# Altium PCB PCB_REV1.PcbDoc (part 1 of 2) (continued)
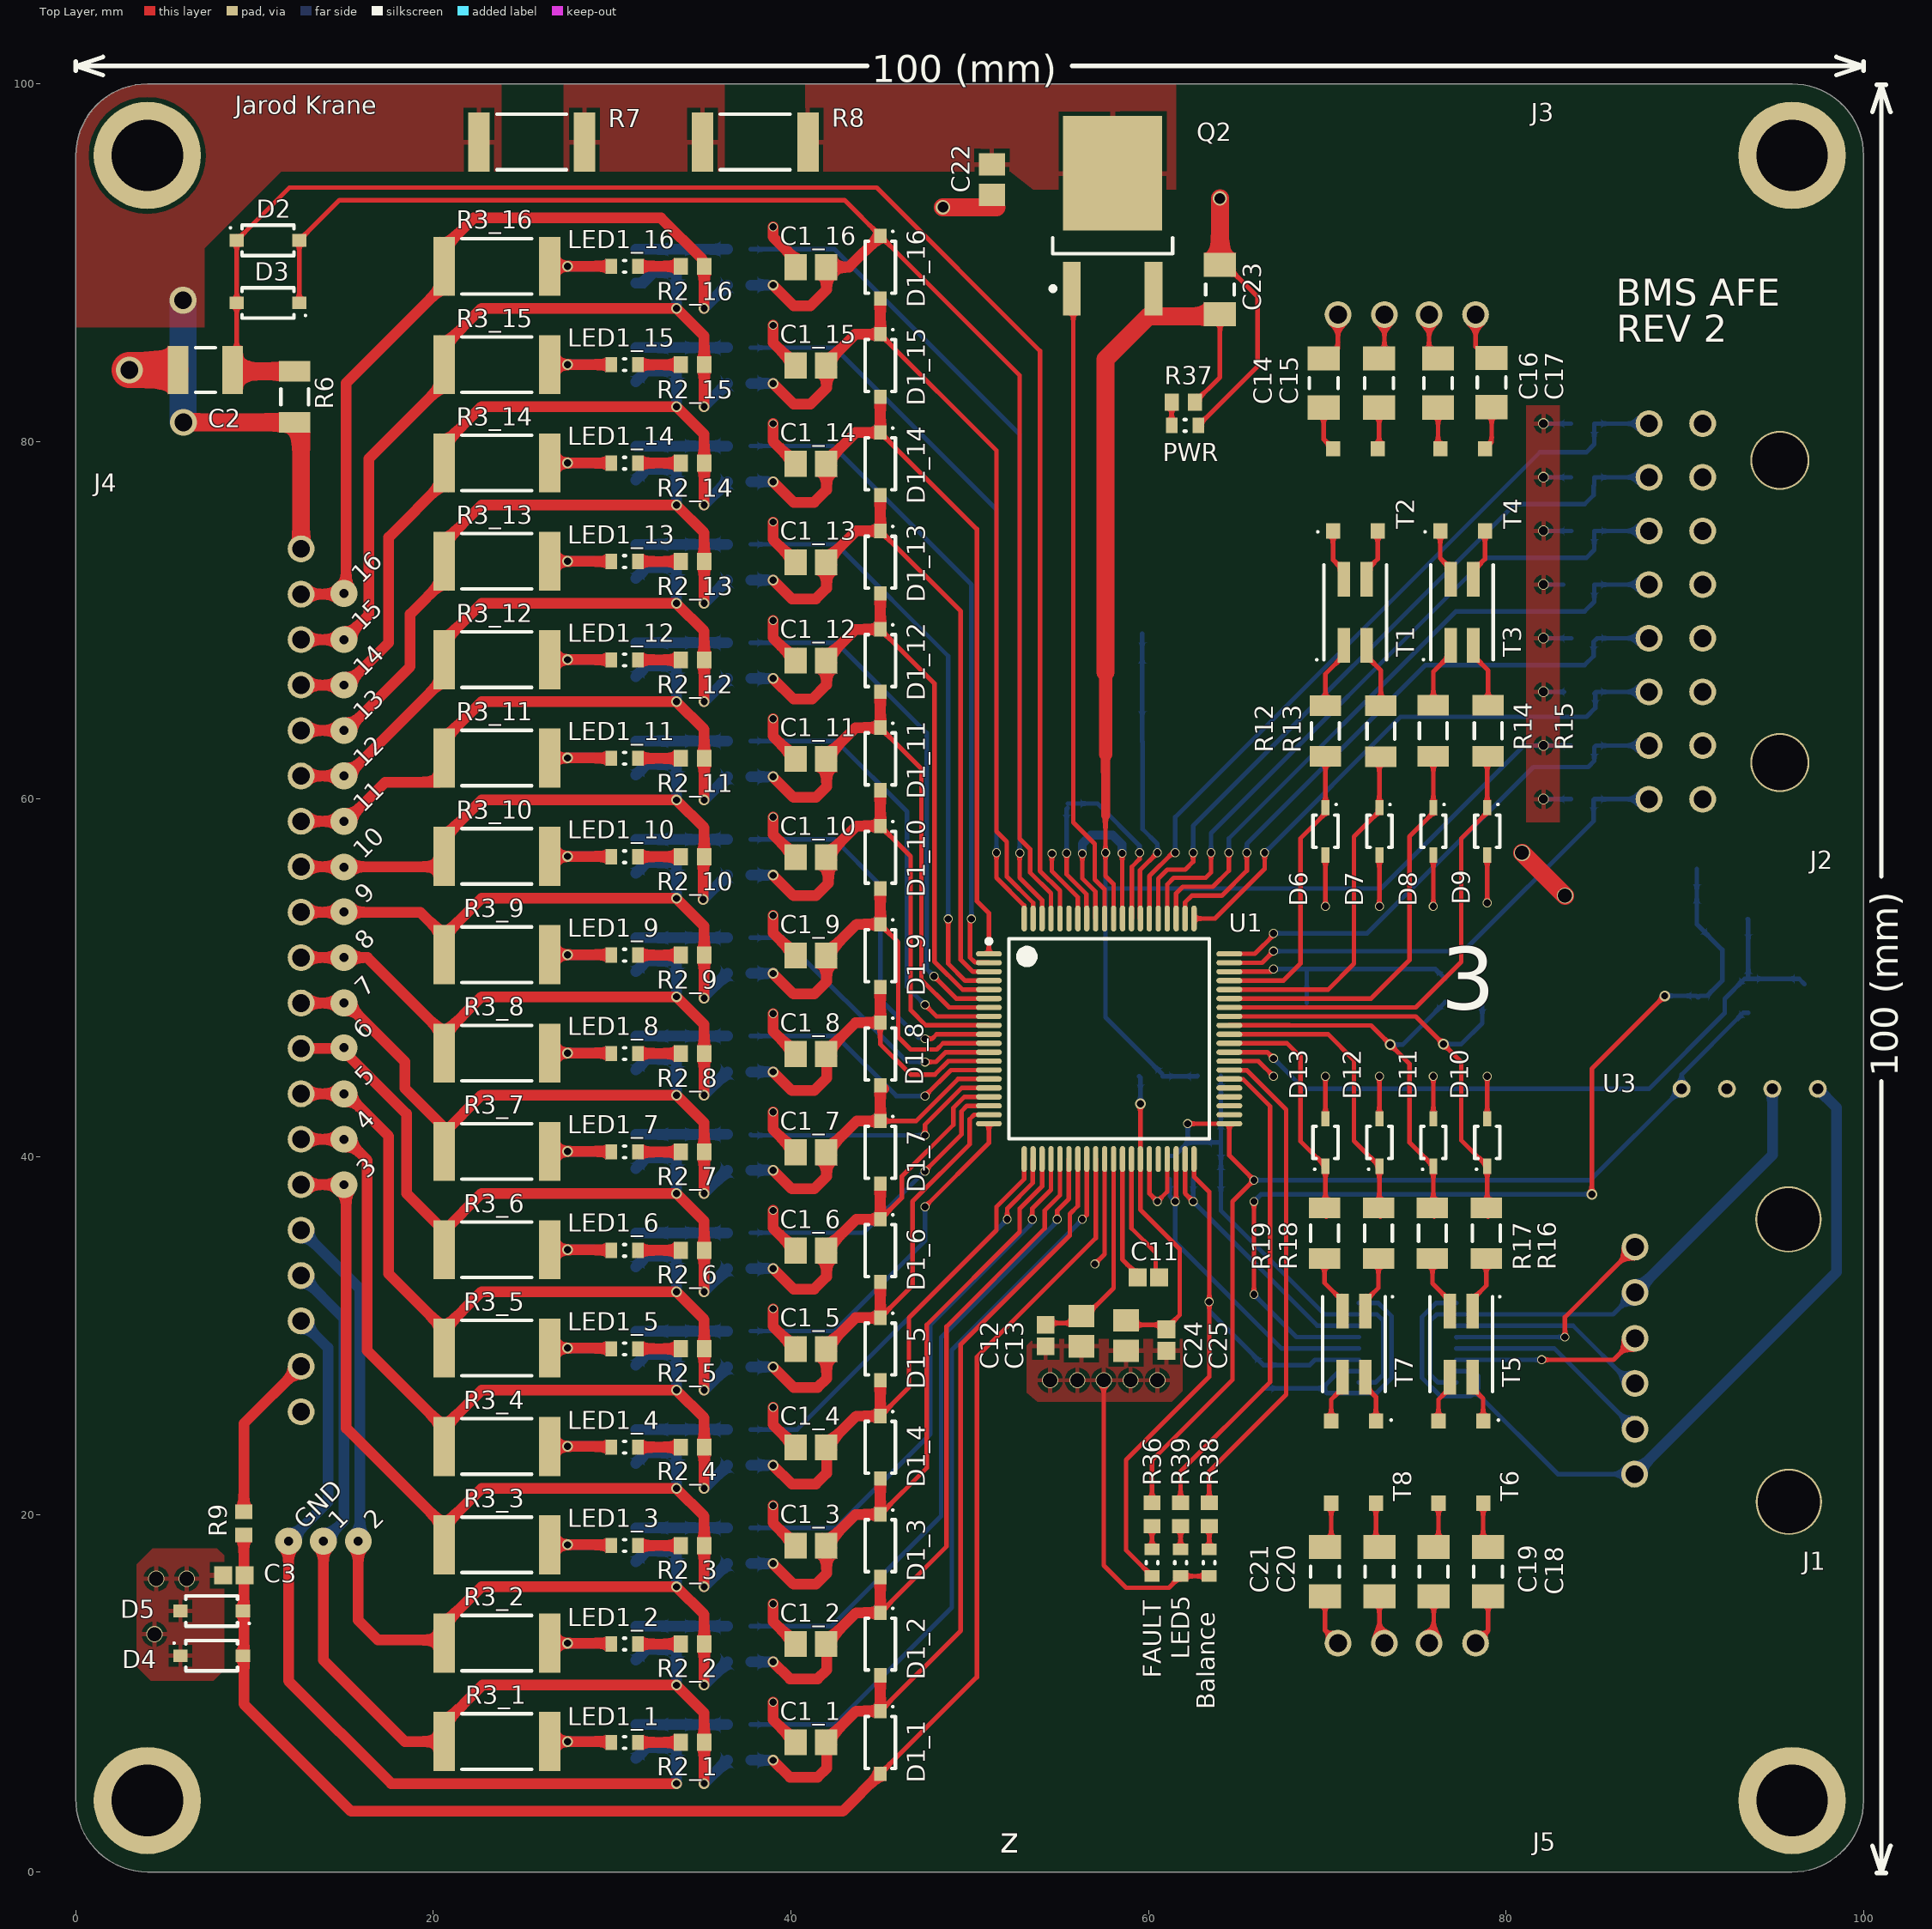
[diagram p0: Top Layer view]
## Part data (continued)
D6 D7 D8 D9 D10 D11 D12 D13: library part PESD5V0U1UA,115, "TVS DIODE 5V SOD323", Breakdown Voltage=5.8V, Capacitance=2.6pF, Leakage Current=100nA, Manufacturer="NXP Semiconductors", Max Breakdown Voltage=8.8V, Max Operating Temperature=150°C, Min Operating Temperature=-55°C, Package Quantity=1, Power Line Protection=No, Supplier Part Number 1=1727-4155-1-ND, Composition=Zener, Depth=1.35mm, Direction=Unidirectional, Element Configuration=Single, Lead Free="Lead Free", Length=1.8mm, Manufacturer Part Number=PESD5V0U1UA,115, Min Breakdown Voltage=5.8V, Mount="Surface Mount", Number of Channels=1, Number of Pins=2, Number of Unidirectional Channels=1, Operating Supply Voltage=5V, Packaging="Tape and Reel", Polarity=Unidirectional, Pricing 1="1=0.49, 10=0.373, 100=0.2377, 500=0.1669, 1000=0.1315 (USD)", Radiation Hardening=No, Reverse Standoff Voltage=5V, Stock 1=225761, Supplier 1=Digi-Key, Termination=SMD/SMT, Working Voltage=5V
J1: "CONN HEADER 6POS .100 R/A TIN", Color=Black, Contact Resistance=30mR, Current Rating=3A, Flammability Rating="UL94 V-0", Insulation Resistance=1GR, Manufacturer=Molex, Max Operating Temperature=105°C, Min Operating Temperature=-40°C, Package Quantity=1, Supplier Part Number 1=WM4168-ND, Voltage Rating=250V, ComponentLink1Description=https://www.molex.com/pdm_docs/ps/PS-70400.pdf, ComponentLink1URL=https://www.molex.com/pdm_docs/ps/PS-70400.pdf, ComponentLink2Description=http://www.mouser.com/ds/2/276/0705550005_PCB_HEADERS-172795.pdf, ComponentLink2URL=http://www.mouser.com/ds/2/276/0705550005_PCB_HEADERS-172795.pdf, Connector Type="Male Pin", Contact Gender=Male, Contact Material=Brass,Bronze, Contact Mating Length=0.24inch, Contact Plating=Tin, Depth=13.59mm, ELV=Compliant, Gender=Female, Glow Wire Compliant=Non-compliant, Housing Color=Black, Housing Material=Polyester, Length=18.69mm, Manufacturer Part Number=70555-0005, Material=Brass, Mount="Through Hole", Number of Circuits=6, Number of Contacts=6, Number of Positions=6, Number of Rows=1, Orientation="Right Angle", Packaging=Rail/Tube, Pitch=2.54mm, Pricing 1="1=1.19, 10=1.046, 100=0.902, 500=0.738, 1000=0.656, 5000=0.574, 10000=0.5453 (USD)", Stock 1=1593, Supplier 1=Digi-Key, Termination=Solder, Voltage Rating (DC)=250V
J2: "CONN RECEPT 16POS 3MM DUAL ROW", Colour=Black, Contact Resistance=10mR, Current Rating=5A, Flammability Rating="UL94 V-0", Manufacturer=Molex, Max Operating Temperature=105°C, Max Voltage Rating (AC)=600V, Max Voltage Rating (DC)=600.6kV, Min Operating Temperature=-40°C, Package Quantity=1500, Supplier Part Number 1=WM2490-ND, Voltage Rating (AC)=250V, Approvals=CSA,TUV,UL, ComponentLink1Description=https://www.alliedelec.com/m/d/7b41ca9c4fb783ac9c05f4e8e707f04e.pdf, ComponentLink1URL=https://www.alliedelec.com/m/d/7b41ca9c4fb783ac9c05f4e8e707f04e.pdf, ComponentLink2Description=http://uk.rs-online.com/webdocs/13c3/0900766b813c3a12.pdf, ComponentLink2URL=http://uk.rs-online.com/webdocs/13c3/0900766b813c3a12.pdf, ComponentLink3Description=https://www.distrelec.biz/Web/Downloads/22/98/04402298.pdf?mime=application%2Fpdf, ComponentLink3URL=https://www.distrelec.biz/Web/Downloads/22/98/04402298.pdf?mime=application%2Fpdf, ComponentLink4Description=http://www.jameco.com/Jameco/Products/ProdDS/883000.pdf, ComponentLink4URL=http://www.jameco.com/Jameco/Products/ProdDS/883000.pdf, ComponentLink5Description=http://www.mouser.com/ds/2/276/0430251600_CRIMP_HOUSINGS-142756.pdf, ComponentLink5URL=http://www.mouser.com/ds/2/276/0430251600_CRIMP_HOUSINGS-142756.pdf, ComponentLink6Description=http://www.molex.com/webdocs/datasheets/pdf/en-us/0430251600_CRIMP_HOUSINGS.pdf, ComponentLink6URL=http://www.molex.com/webdocs/datasheets/pdf/en-us/0430251600_CRIMP_HOUSINGS.pdf, Connector Type=Power,Rectangular,Socket, Depth=14mm, Gender=Female, Glow Wire Compliant=Non-compliant, Housing Colour=Black, Housing Material=Polyester, Lead Free="Lead Free", Length=24.85mm, Manufacturer Part Number=43025-1600, Material=Polyester, Mount=Cable, Number of Circuits=16, Number of Contacts=16, Number of Poles=16, Number of Positions=16, Number of Rows=2, Orientation=Straight, Packaging=Bulk, Pitch=3mm, Pricing 1="1=0.96, 10=0.843, 25=0.7928, 50=0.76, 100=0.7269, 250=0.6608, 500=0.5947, 1000=0.5286, 2500=0.4791 (USD)", Radiation Hardening=No, REACH SVHC=Unknown, Row Spacing=3mm, Stock 1=21915, Supplier 1=Digi-Key, Termination=Crimp, Width=11.56mm, Working Voltage=250V
J3 J5: "CONN HEADER 4POS .100 R/A GOLD", Color=Black, Contact Resistance=30mR, Current Rating=3A, Flammability Rating="UL94 V-0", Insulation Resistance=1GR, Manufacturer=Molex, Manufacturer Part Number=70553-0003, Max Operating Temperature=105°C, Min Operating Temperature=-40°C, Package Quantity=1680, Supplier Part Number 1=WM4902-ND, Voltage Rating=250V, Approvals=CSA,UL, ComponentLink1Description=http://www.molex.com/webdocs/datasheets/pdf/en-us/0705530003_PCB_HEADERS.pdf, ComponentLink1URL=http://www.molex.com/webdocs/datasheets/pdf/en-us/0705530003_PCB_HEADERS.pdf, ComponentLink2Description=http://www.jameco.com/Jameco/Products/ProdDS/884758.pdf, ComponentLink2URL=http://www.jameco.com/Jameco/Products/ProdDS/884758.pdf, ComponentLink3Description=http://uk.rs-online.com/webdocs/13c4/0900766b813c4977.pdf, ComponentLink3URL=http://uk.rs-online.com/webdocs/13c4/0900766b813c4977.pdf, Contact Material="Bronze,Copper Alloy", Contact Plating=Gold, ELV=Compliant, Gender=Male, Glow Wire Compliant=Non-compliant, Housing Color=Black, Housing Material=Polycyclohexylenedimethylene, Lead Free="Lead Free", Material=Brass, Mount="Through Hole", Number of Circuits=4, Number of Contacts=4, Number of Positions=4, Number of Rows=1, Orientation="Right Angle", Packaging=Rail/Tube, Pitch=2.54mm, Pricing 1="1=1.16, 10=1.019, 100=0.8796, 500=0.7196, 1680=0.5997, 5040=0.5597, 10080=0.5317 (USD)", REACH SVHC=Unknown, Stock 1=15444, Supplier 1=Digi-Key, Termination="Through Hole", Voltage Rating (DC)=250V
J4: "CONN HEADER 20POS 2.5MM R/A TIN", Colour=White, Manufacturer=Hirose, Package Quantity=100, Supplier Part Number 1=H11015-ND, Connector Type="Male Pin", Contact Mating Length=0.177inch, Contact Plating=Tin, Gender=Male, Housing Colour=White, Lead Free="Lead Free", Manufacturer Part Number=DF1BZ-20P-2.5DS, Mount="Through Hole", Number of Contacts=20, Number of Positions=20, Number of Rows=1, Packaging=Bulk, Pitch=0.098inch, Pricing 1="1=0.87, 10=0.765, 100=0.66, 500=0.54, 1000=0.48 (USD)", Stock 1=76, Supplier 1=Digi-Key, Termination=Solder
Q1_1 Q1_2 Q1_3 Q1_4 Q1_5 Q1_6 Q1_7 Q1_8 Q1_9 Q1_10 Q1_11 Q1_12 Q1_13 Q1_14 Q1_15 Q1_16: "MOSFET N-CH 60V 320MA SOT-23", Case/Package=SOT-23-3, Continuous Drain Current (ID)=320mA, Drain to Source Breakdown Voltage=60V, Drain to Source Resistance=1.6R, Gate to Source Voltage (Vgs)=20V, Input Capacitance=24.5pF, Manufacturer="ON Semiconductor", Max Operating Temperature=150°C, Max Power Dissipation=420mW, Min Operating Temperature=-55°C, Package Quantity=1, Power Dissipation=300mW, Supplier Part Number 1=2N7002KT1GOSCT-ND, Threshold Voltage=2.3V, ComponentLink1Description=http://www.mouser.com/ds/2/308/2N7002K-D-40616.pdf, ComponentLink1URL=http://www.mouser.com/ds/2/308/2N7002K-D-40616.pdf, ComponentLink2Description=http://www.farnell.com/datasheets/2354033.pdf, ComponentLink2URL=http://www.farnell.com/datasheets/2354033.pdf, ComponentLink3Description=http://www.onsemi.ru.com/pub/Collateral/2N7002K-D.PDF, ComponentLink3URL=http://www.onsemi.ru.com/pub/Collateral/2N7002K-D.PDF, ComponentLink4Description=https://www.verical.com/server-webapp/html/getDatasheet?partID=309924, ComponentLink4URL=https://www.verical.com/server-webapp/html/getDatasheet?partID=309924, ComponentLink5Description=http://www.onsemi.com/pub_link/Collateral/2N7002K-D.PDF, ComponentLink5URL=http://www.onsemi.com/pub_link/Collateral/2N7002K-D.PDF, ComponentLink6Description=http://uk.rs-online.com/webdocs/13e9/0900766b813e9f06.pdf, ComponentLink6URL=http://uk.rs-online.com/webdocs/13e9/0900766b813e9f06.pdf, ComponentLink7Description=http://www.onsemi.com/pub/Collateral/2N7002K-D.PDF, ComponentLink7URL=http://www.onsemi.com/pub/Collateral/2N7002K-D.PDF, Contact Plating=Matte,Tin, Element Configuration=Single, Fall Time=9ns, Halogen Free="Halogen Free", Height=1.01mm, Lead Free="Lead Free", Length=3.04mm, Manufacturer Part Number=2N7002KT1G, Nominal Vgs=2.3V, Number of Elements=1, Number of Pins=3, On-State Resistance=1.6R, Packaging="Tape and Reel", Pricing 1="1=0.21, 10=0.193, 100=0.1264, 500=0.0618, 1000=0.0421 (USD)", Radiation Hardening=No, Rds On Max=1.6R, REACH SVHC="No SVHC", Rise Time=9ns, Stock 1=39226, Supplier 1=Digi-Key, Turn-Off Delay Time=55.8ns, Turn-On Delay Time=12.2ns, Width=1.4mm
Q2: "TRANS NPN 150V 1A TO252", Case/Package=TO-252, Collector Base Voltage (VCBO)=150V, Continuous Collector Current=1A, Emitter Base Voltage (VEBO)=7V, Manufacturer=Diodes, Max Operating Temperature=150°C, Max Power Dissipation=3.8W, Min Operating Temperature=-55°C, Package Quantity=2500, Supplier Part Number 1=ZXTN4004KTCDICT-ND, Collector Emitter Breakdown Voltage=150V, Collector Emitter Voltage (VCEO)=150V, Element Configuration=Single, Height=6.2mm, hFE Min=100, Lead Free="Lead Free", Length=6.7mm, Manufacturer Part Number=ZXTN4004KTC, Max Breakdown Voltage=150V, Max Collector Current=1A, Mount="Surface Mount", Number of Elements=1, Number of Pins=3, Packaging="Tape and Reel", Polarity=NPN, Power Dissipation=3.8W, Pricing 1="1=0.49, 10=0.42, 100=0.3134, 500=0.2463, 1000=0.1903 (USD)", Radiation Hardening=No, REACH SVHC="No SVHC", Stock 1=27399, Supplier 1=Digi-Key, Weight=0.063493oz, Width=2.39mm
R1_1 R1_2 R1_3 R1_4 R1_5 R1_6 R1_7 R1_8 R1_9 R1_10 R1_11 R1_12 R1_13 R1_14 R1_15 R1_16 R2_1 R2_2 R2_3 R2_4 R2_5 R2_6 R2_7 R2_8 R2_9 R2_10 R2_11 R2_12 R2_13 R2_14 R2_15 R2_16 R9 R38 R39: library part CRCW06031K00FKEA, "RES SMD 1K OHM 1% 1/10W 0603", Case/Package=0603, Case Code (Metric)=1608, Manufacturer="Vishay Dale", Max Operating Temperature=155°C, Max Power Dissipation=100mW, Min Operating Temperature=-55°C, Package Quantity=10, Resistance=1kR, Supplier Part Number 1=541-1.00KHCT-ND, Temperature Coefficient=100ppm/°C, Tolerance=1%, Voltage Rating=75V, Case Code (Imperial)=0603, Composition="Thick Film", Contact Plating=Tin, Depth=0.85mm, Features="Automotive AEC-Q200", Height=0.45mm, Lead Free="Lead Free", Length=1.55mm, Manufacturer Part Number=CRCW06031K00FKEA, Military Standard=Not, Mount="Surface Mount", Number of Pins=2, Number of Terminations=2, Packaging="Tape and Reel", Power Rating=100mW, Pricing 1="1=0.1, 10=0.042, 100=0.017, 1000=0.0076, 2500=0.0066 (USD)", Radiation Hardening=No, REACH SVHC=Unknown, Stock 1=3823619, Supplier 1=Digi-Key, Termination=SMD/SMT, Voltage Rating (DC)=75V, Weight=7.1E-05oz, Width=0.033inch
R3_1 R3_2 R3_3 R3_4 R3_5 R3_6 R3_7 R3_8 R3_9 R3_10 R3_11 R3_12 R3_13 R3_14 R3_15 R3_16: library part RMCF2512FT75R0, "RES 75 OHM 1% 1W 2512", Case/Package=2512, Manufacturer="Stackpole Electronics", Max Operating Temperature=155°C, Max Power Dissipation=1W, Min Operating Temperature=-55°C, Package Quantity=4000, Supplier Part Number 1=RMCF2512FT75R0CT-ND, Temperature Coefficient=100ppm/°C, Tolerance=1%, Composition="Thick Film", Contact Plating=Matte,Tin, Features="Automotive AEC-Q200", Height=0.028inch, Length=0.248inch, Manufacturer Part Number=RMCF2512FT75R0, Mount="Surface Mount", Number of Terminations=2, Packaging="Tape and Reel", Power Rating=1W, Pricing 1="1=0.39, 10=0.333, 100=0.1301, 1000=0.0545 (USD)", Radiation Hardening=No, Resistance=75R, Stock 1=8250, Supplier 1=Digi-Key, Width=0.126inch
R4_1 R4_2 R4_3 R4_4 R4_5 R4_6 R4_7 R4_8 R4_9 R4_10 R4_11 R4_12 R4_13 R4_14 R4_15 R4_16 R36 R37: library part CRCW06032K00FKEA, "RES SMD 2K OHM 1% 1/10W 0603", Case/Package=0603, Case Code (Metric)=1608, Manufacturer=Vishay, Max Operating Temperature=155°C, Max Power Dissipation=100mW, Min Operating Temperature=-55°C, Package Quantity=10, Resistance=2kR, Supplier Part Number 1=541-2.00KHCT-ND, Temperature Coefficient=100ppm/°C, Tolerance=1%, Voltage Rating=75V, Case Code (Imperial)=0603, Composition="Thick Film", Contact Plating=Lead,Tin, Depth=0.85mm, Features="Automotive AEC-Q200", Height=0.45mm, Lead Free="Lead Free", Length=1.55mm, Manufacturer Part Number=CRCW06032K00FKEA, Military Standard=Not, Mount="Surface Mount", Number of Pins=2, Number of Terminations=2, Packaging="Tape and Reel", Power Rating=100mW, Pricing 1="1=0.1, 10=0.042, 100=0.017, 1000=0.0076, 2500=0.0066 (USD)", Radiation Hardening=No, REACH SVHC=Unknown, Stock 1=388348, Supplier 1=Digi-Key, Termination=Solder, Voltage Rating (DC)=75V, Weight=7.1E-05oz, Width=0.85mm
R5_1 R5_2 R5_3 R5_4 R5_5 R5_6 R5_7 R5_8 R5_9 R5_10 R5_11 R5_12 R5_13 R5_14 R5_15 R5_16 R11 R30 R32: library part ERJ-3EKF1003V, "RES SMD 100K OHM 1% 1/10W 0603", Case/Package=0603, Case Code (Metric)=1608, Manufacturer=Panasonic, Manufacturer Part Number=ERJ3EKF-1003V, Max Operating Temperature=155°C, Min Operating Temperature=-55°C, Power Rating=100mW, Resistance=100kR, Supplier Part Number 1=P100KHCT-ND, Temperature Coefficient=100ppm/°C, Tolerance=1%, Voltage Rating=75V, Case Code (Imperial)=0603, Composition="Thick Film", Contact Plating=Tin, Depth=0.8mm, Lead Free="Lead Free", Length=1.6mm, Military Standard=Not, Number of Pins=2, Packaging="Tape and Reel", Pricing 1="1=0.1, 10=0.064, 100=0.0261, 1000=0.0117, 2500=0.0102 (USD)", Radiation Hardening=No, REACH SVHC="No SVHC", Stock 1=10349154, Supplier 1=Digi-Key, Voltage Rating (DC)=75V, Width=800um
R6: library part ERJ-8ENF1000V, "RES SMD 100 OHM 1% 1/4W 1206", Case/Package=1206, Case Code (Metric)=3216, Manufacturer=Panasonic, Max Operating Temperature=155°C, Max Power Dissipation=250mW, Min Operating Temperature=-55°C, Package Quantity=1, Supplier Part Number 1=P100FCT-ND, Temperature Coefficient=100ppm/°C, Tolerance=1%, Voltage Rating=200V, Case Code (Imperial)=1206, Composition="Thick Film", Contact Plating=Tin, Depth=1.6mm, Features="Automotive AEC-Q200", Height=0.6mm, Lead Free="Lead Free", Length=3.2mm, Manufacturer Part Number=ERJ-8ENF1000V, Military Standard=Not, Mount="Surface Mount", Number of Pins=2, Number of Terminations=2, Packaging="Tape and Reel", Power Rating=250mW, Pricing 1="1=0.11, 10=0.1, 100=0.0385, 1000=0.017, 2500=0.0146 (USD)", Radiation Hardening=No, REACH SVHC="No SVHC", Resistance=100R, Stock 1=474856, Supplier 1=Digi-Key, Termination=SMD/SMT, Voltage Rating (DC)=200V, Width=0.063inch, Working Voltage=200V
R7 R8: library part CRCW2512200RJNEG, "RES SMD 200 OHM 5% 1W 2512", Case/Package=2512, Case Code (Metric)=6432, Manufacturer="Vishay Dale", Max Operating Temperature=155°C, Max Power Dissipation=1W, Min Operating Temperature=-55°C, Package Quantity=2000, Supplier Part Number 1=541-200XCT-ND, Temperature Coefficient=200ppm/°C, Tolerance=5%, Voltage Rating=500V, Case Code (Imperial)=2512, Composition="Thick Film", Contact Plating=Tin, Depth=3.15mm, Features="Automotive AEC-Q200", Height=0.6mm, Lead Free="Lead Free", Length=6.3mm, Manufacturer Part Number=CRCW2512200RJNEG, Military Standard=Not, Mount="Surface Mount", Number of Pins=2, Number of Terminations=2, Packaging="Tape and Reel", Power Rating=1W, Pricing 1="1=0.39, 10=0.333, 100=0.1301, 1000=0.0545 (USD)", Radiation Hardening=No, REACH SVHC=Unknown, Resistance=200R, Stock 1=0, Supplier 1=Digi-Key, Termination=SMD/SMT, Voltage Rating (DC)=500V, Weight=0.001429oz, Width=0.124inch, Working Voltage=500V
R10 R31: library part 0
R12 R13 R14 R15 R16 R17 R18 R19: library part ERJ-8ENF10R0V, "RES SMD 10 OHM 1% 1/4W 1206", Case/Package=1206, Case Code (Metric)=3216, Manufacturer=Panasonic, Max Operating Temperature=155°C, Max Power Dissipation=250mW, Min Operating Temperature=-55°C, Package Quantity=1, Supplier Part Number 1=P10.0FCT-ND, Temperature Coefficient=100ppm/°C, Tolerance=1%, Voltage Rating=200V, Case Code (Imperial)=1206, Composition="Thick Film", Contact Plating=Tin, Depth=1.6mm, Features="Automotive AEC-Q200", Height=0.028inch, Lead Free="Lead Free", Length=3.2mm, Manufacturer Part Number=ERJ-8ENF10R0V, Military Standard=Not, Mount="Surface Mount", Number of Pins=2, Number of Terminations=2, Packaging="Tape and Reel", Power Rating=250mW, Pricing 1="1=0.11, 10=0.1, 100=0.0385, 1000=0.017, 2500=0.0146 (USD)", Radiation Hardening=No, REACH SVHC="No SVHC", Resistance=10R, Stock 1=490013, Supplier 1=Digi-Key, Termination=SMD/SMT, Voltage Rating (DC)=200V, Width=0.063inch
R20 R21: library part CRL0603-FW-1R00ELF, "RES SMD 1 OHM 1% 1/10W 0603", Case/Package=0603, Case Code (Metric)=1608, Manufacturer=Bourns, Max Operating Temperature=125°C, Max Power Dissipation=100mW, Min Operating Temperature=-55°C, Package Quantity=5000, Supplier Part Number 1=CRL0603-FW-1R00ELFCT-ND, Temperature Coefficient=200ppm/°C, Tolerance=1%, Case Code (Imperial)=0603, Composition="Thick Film", Contact Plating=Tin, Depth=0.8mm, Height=0.45mm, Length=1.6mm, Manufacturer Part Number=CRL0603-FW-1R00ELF, Military Standard=Not, Mount="Surface Mount", Number of Terminations=2, Packaging="Tape and Reel", Power Rating=100mW, Pricing 1="1=0.13, 10=0.116, 100=0.0448, 1000=0.0197, 2500=0.017 (USD)", Radiation Hardening=No, REACH SVHC="No SVHC", Resistance=1R, Stock 1=1350, Supplier 1=Digi-Key, Termination=SMD/SMT, Width=0.8mm
R22 R23 R24 R25 R26 R27 R28 R29: library part ERJ-3EKF1002V, "RES SMD 10K OHM 1% 1/10W 0603", Case/Package=0603, Case Code (Metric)=1608, Manufacturer=Panasonic, Max Operating Temperature=155°C, Max Power Dissipation=100mW, Min Operating Temperature=-55°C, Package Quantity=1, Resistance=10kR, Supplier Part Number 1=P10.0KHDKR-ND, Temperature Coefficient=100ppm/°C, Tolerance=1%, Voltage Rating=75V, Case Code (Imperial)=0603, Composition="Thick Film", Contact Plating=Tin, Depth=0.8mm, Features="Automotive AEC-Q200", Height=0.45mm, Lead Free="Lead Free", Length=1.6mm, Manufacturer Part Number=ERJ-3EKF1002V, Military Standard=Not, Mount="Surface Mount", Number of Pins=2, Number of Terminations=2, Packaging="Tape and Reel", Power Rating=100mW, Pricing 1="1=0.1, 10=0.064, 100=0.0261, 1000=0.0117, 2500=0.0102 (USD)", Radiation Hardening=No, REACH SVHC="No SVHC", Stock 1=19944837, Supplier 1=Digi-Key, Termination=SMD/SMT, Voltage Rating (DC)=75V, Width=0.031inch
R33: library part RC0603FR-0749K9L, "RES SMD 49.9K OHM 1% 1/10W 0603"
R34 R35: library part ERJ-3EKF1003V, "RES SMD 100K OHM 1% 1/10W 0603", Case/Package=0603, Case Code (Metric)=1608, Manufacturer=Panasonic, Manufacturer Part Number=ERJ3EKF-1003V, Max Operating Temperature=155°C, Max Power Dissipation=100mW, Min Operating Temperature=-55°C, Package Quantity=1, Resistance=100kR, Supplier Part Number 1=P100KHCT-ND, Temperature Coefficient=100ppm/°C, Tolerance=1%, Voltage Rating=75V, Case Code (Imperial)=0603, ComponentLink1Description=https://www.verical.com/server-webapp/html/getDatasheet?partID=323805&src-supplier=Verical, ComponentLink1URL=https://www.verical.com/server-webapp/html/getDatasheet?partID=323805&src-supplier=Verical, ComponentLink2Description=http://www.yageo.com/documents/recent/PYu-RC_Group_51_RoHS_L_10.pdf?src-supplier=Digi-Key, ComponentLink2URL=http://www.yageo.com/documents/recent/PYu-RC_Group_51_RoHS_L_10.pdf?src-supplier=Digi-Key, ComponentLink3Description=http://www.yageo.com/documents/recent/PYu-RC_Group_51_RoHS_L_9.pdf?src-supplier=Digi-Key, ComponentLink3URL=http://www.yageo.com/documents/recent/PYu-RC_Group_51_RoHS_L_9.pdf?src-supplier=Digi-Key, Composition="Thick Film", Contact Plating=Tin, Depth=0.8mm, Features="Moisture Resistant", Height=0.022inch, Lead Free="Lead Free", Length=1.6mm, Military Standard=Not, Mount="Surface Mount", Number of Pins=2, Number of Terminations=2, Packaging="Tape and Reel", Power Rating=100mW, Pricing 1="1=0.1, 10=0.064, 100=0.0261, 1000=0.0117, 2500=0.0102 (USD)", Pricing 2="1=0.1, 10=0.024, 100=0.0097, 1000=0.0044, 2500=0.0038 (USD)", Radiation Hardening=No, REACH SVHC="No SVHC", Stock 1=10349154, Stock 2=4435882, Supplier 1=Digi-Key, Supplier 2=Digi-Key, Supplier Part Number 2=311-49.9KHRCT-ND, Termination=SMD/SMT, Voltage Rating (DC)=75V, Width=800um
T1 T3 T5 T7: library part 744242471, "CMC 470UH 400MA 2LN 2.2 KOHM SMD", Case/Package=SMD/SMT, Current=400mA, DC Resistance (DCR)=350mR, Inductance=470uh, Manufacturer="Wurth Electronics", Max Operating Temperature=125°C, Min Operating Temperature=-40°C, Package Quantity=1, Supplier Part Number 1=732-1686-1-ND, Test Frequency=100kHz, Tolerance=50%, Voltage Rating=80V, Current Rating=400mA, Height=0.138inch, Impedance=2.2kR, Length=0.236inch, Manufacturer Part Number=744242471, Max DC Current=400mA, Mount="Surface Mount", Number of Lines=2, Packaging="Tape and Reel", Pricing 1="1=3.37, 10=3.125, 50=2.822, 100=2.722, 250=2.52 (USD)", REACH SVHC="No SVHC", Resistance=350mR, Stock 1=3049, Supplier 1=Digi-Key, Termination=SMD/SMT, Weight=0.003351oz, Width=3.3mm
T2 T4 T6 T8: library part B82787C0104H002, "CMC 100UH 150MA 2LN SMD AEC-Q200", Case/Package=SMD/SMT, DC Current=150mA, DC Resistance (DCR)=2R, Inductance=100uh, Manufacturer="TDK EPCOS", Max Operating Temperature=150°C, Min Operating Temperature=-40°C, Self Resonant Frequency=10MHz, Supplier Part Number 1=495-4598-1-ND, Test Frequency=100kHz, Tolerance=50%, Core Material=Ferrite, Depth=3.4mm, Height=2.8mm, Lead Free="Lead Free", Length=4.7mm, Manufacturer Part Number=B82787C0104H002, Max DC Current=150mA, Packaging="Tape and Reel", Pricing 1="1=1.62, 10=1.506, 100=1.0891, 500=0.8342, 1000=0.7415 (USD)", Stock 1=65671, Supplier 1=Digi-Key
U1: "IC BATT MONITOR/PROTECT 80TQFP", Case/Package=TQFP, Manufacturer="Texas Instruments", Max Operating Temperature=105°C, Min Operating Temperature=-40°C, Operating Supply Voltage=22V, Supplier Part Number 1=296-44049-1-ND, Fault Protection="Over/Under Voltage", Interface=UART, Lead Free="Lead Free", Manufacturer Part Number=BQ76PL455ATPFCRQ1, Mount="Surface Mount", Number of Pins=80, Packaging="Tape and Reel", Pricing 1="1=19.03, 10=17.486, 100=14.7676, 500=13.1368 (USD)", Stock 1=0, Supplier 1=Digi-Key
U2: "IC INVERTER 1CH 1-INP SOT23-5", Case/Package=SOT-23, High Level Output Current=-32mA, Low Level Output Current=32mA, Manufacturer="ON Semiconductor / Fairchild", Max Operating Temperature=85°C, Max Supply Voltage=5.5V, Min Operating Temperature=-40°C, Min Supply Voltage=1.65V, Package Quantity=1, Quiescent Current=2uA, Supplier Part Number 1=NC7SZ04M5XCT-ND, ComponentLink1Description=http://www.jameco.com/Jameco/Products/ProdDS/1015511.pdf?src-supplier=Jameco, ComponentLink1URL=http://www.jameco.com/Jameco/Products/ProdDS/1015511.pdf?src-supplier=Jameco, ComponentLink2Description=https://www.fairchildsemi.com/datasheets/NC/NC7SZ04.pdf?src-supplier=Digi-Key, ComponentLink2URL=https://www.fairchildsemi.com/datasheets/NC/NC7SZ04.pdf?src-supplier=Digi-Key, ComponentLink3Description=http://www.farnell.com/datasheets/1639856.pdf?src-supplier=Element14, ComponentLink3URL=http://www.farnell.com/datasheets/1639856.pdf?src-supplier=Element14, ComponentLink4Description=http://www.fairchildsemi.com/ds/NC/NC7SZ04.pdf?src-supplier=Avnet+Europe, ComponentLink4URL=http://www.fairchildsemi.com/ds/NC/NC7SZ04.pdf?src-supplier=Avnet+Europe, ComponentLink5Description=https://www.verical.com/server-webapp/html/getDatasheet?partID=120911&src-supplier=Verical, ComponentLink5URL=https://www.verical.com/server-webapp/html/getDatasheet?partID=120911&src-supplier=Verical, ComponentLink6Description=https://www.fairchildsemi.com/datasheets/NC/NC7SZ04.pdf?src-supplier=Avnet, ComponentLink6URL=https://www.fairchildsemi.com/datasheets/NC/NC7SZ04.pdf?src-supplier=Avnet, ComponentLink7Description=http://www.fairchildsemi.com/ds/NC/NC7SZ04.pdf?src-supplier=Future+Electronics, ComponentLink7URL=http://www.fairchildsemi.com/ds/NC/NC7SZ04.pdf?src-supplier=Future+Electronics, Contact Plating=Tin,Matte, Lead Free="Lead Free", Logic Function=Buffer,Inverter, Manufacturer Part Number=NC7SZ04M5X, Mount="Surface Mount", Number of Circuits=1, Number of Elements=1, Number of Inputs=1, Number of Pins=5, Output Current=32mA, Packaging="Tape and Reel", Pricing 1="1=0.48, 10=0.358, 100=0.203, 500=0.1344, 1000=0.1031 (USD)", Propagation Delay=12ns, Radiation Hardening=No, REACH SVHC="No SVHC", Stock 1=204255, Supplier 1=Digi-Key, Turn-On Delay Time=12ns, Weight=0.03g
U3: library part 945-1655-5-ND, "DC DC CONVERTER 5V 1W"
U4: library part 296-49658-1-ND, "DG ISO 2.5KV 4CH GEN PRP 16SSOP"

## Free pads (board coordinates)
  round 6 hole 4: 1(4,4) 3(96,96) 4(96,4)
  round 6 hole 4 unplated: 2(4,96)

## Via types
v1: diameter 0.6, hole 0.4, Top Layer to Bottom Layer, 69 vias
v2: diameter 0.5, hole 0.4, Top Layer to Bottom Layer, 69 vias
v3: diameter 1.5, hole 0.5, Top Layer to Bottom Layer, 17 vias
v4: diameter 0.9, hole 0.8, Top Layer to Bottom Layer, 10 vias
v5: diameter 0.6, hole 0.5, Top Layer to Bottom Layer, 8 vias
v6: diameter 1.5, hole 1, Top Layer to Bottom Layer, 3 vias
v7: diameter 0.8, hole 0.6, Top Layer to Bottom Layer, 2 vias

## Nets (pads, with @x,y where several pads share a name; then routed paths per layer and width w, separated by ;. In a path a pad name is that pad's centre, name@x,y a point inside that pad or via, vN(x,y) a via of type N, cw(c..) or ccw(c..) an arc to the next point about the centre after c; other vN are vias at no path point)
AUX0: J2.8 R22.1 U1.66 | length 42.7
  Top Layer w0.254: U1.66@60.05,53.325 60.05,55.696 61.354,57 v2(61.5,57)
  Bottom Layer w0.254: v2(61.5,57) 61.5,59 81.9,79.4 84.5,79.4 84.942,79.842 R22.1@84.942,81 J2.8@88,81
AUX1: J2.7 R23.1 U1.65 | length 40.7
  Top Layer w0.254: U1.65@60.55,53.325 60.55,55.55 61.057,56.057 62.057,56.057 62.5,56.5 v2(62.5,57)
  Bottom Layer w0.254: v2(62.5,57) 62.5,58.5 80.5,76.5 84.4,76.5 84.9,77 84.9,77.5 84.942,77.542 R23.1@84.942,77.9 ; R23.1@84.942,78 R23.1@84.942,77.9 ; J2.7@88,78 85.042,78 R23.1@84.942,77.9
AUX2: J2.6 R24.1 U1.64 | length 39
  Top Layer w0.254: U1.64@61.05,53.325 61.05,55.23 61.42,55.6 63.2,55.6 63.5,55.9 v2(63.5,57)
  Bottom Layer w0.254: v2(63.5,57) 63.5,58.1 78.9,73.5 84.5,73.5 84.942,73.942 84.942,75 J2.6@88,75
AUX3: J2.5 R25.1 U1.63 | length 36.6
  Top Layer w0.254: U1.63@61.55,53.325 61.55,54.73 61.92,55.1 63.6,55.1 64.5,56 v2(64.5,57)
  Bottom Layer w0.254: v2(64.5,57) 64.5,57.8 77.2,70.5 84.4,70.5 84.942,71.042 R25.1@84.942,72 J2.5@88,72
AUX4: J2.4 R26.1 U1.62 | length 34.3
  Top Layer w0.254: U1.62@62.05,53.325 62.05,54.23 62.42,54.6 64.1,54.6 65.5,56 v2(65.5,57)
  Bottom Layer w0.254: v2(65.5,57) 65.5,57.5 75.5,67.5 84.4,67.5 84.9,68 84.9,68.8 85.1,69 J2.4@88,69
AUX5: J2.3 R27.1 U1.61 | length 31.8
  Top Layer w0.254: U1.61@62.55,53.325 63.725,53.325 66.5,56.1 v2(66.5,57)
  Bottom Layer w0.254: v2(66.5,57) 74.1,64.6 84.5,64.6 85,65.1 85,65.9 84.942,65.9 85.042,66 J2.3@88,66
AUX6: J2.2 R28.1 U1.60 | length 28.8
  Top Layer w0.254: U1.60@64.525,51.35 65.95,51.35 67,52.4 v2(67,52.5)
  Bottom Layer w0.254: v2(67,52.5) 72.237,52.5 81.537,61.8 84.6,61.8 84.942,62.142 84.942,62.9 85.042,63 J2.2@88,63
AUX7: J2.1 R29.1 U1.59 | length 28
  Top Layer w0.254: U1.59@64.525,50.85 66.35,50.85 v2(67,51.5)
  Bottom Layer w0.254: v2(67,51.5) 77.62,51.5 84.9,58.78 84.9,59.958 R29.1@84.942,60 J2.1@88,60
BOTTOM: J4.2 R9.2 | length 9.5
  Top Layer w0.6: R9.2@9.4,20.15 9.4,25.08 J4.2@12.6,28.28
CELL0: J4.3 Q1_1.2 R5_1.1 | length 50.3
  Top Layer w0.6: v3(11.9,18.5) 11.9,10.7 17.65,4.95 v1(33.6,4.95)
  Bottom Layer w0.6: v3(11.9,18.5) 14.1,20.7 14.1,29.32 J4.3@12.6,30.82 ; Q1_1.2@31.325,6.35 31.925,6.95 R5_1.1@33.6,6.95 v1(33.6,4.95)
CELL1: J4.4 Q1_2.2 R1_1.2 R2_1.2 R3_1.1 R5_2.1 | length 59
  Top Layer w0.6: v3(13.85,18.5) 13.85,11.85 18.4,7.3 R3_1.1@20.6,7.3 20.6,8.3 22.75,10.45 v1(33.6,10.45) 35.15,8.9 R2_1.2@35.15,7.25 v1(35.15,4.95)
  Bottom Layer w0.6: J4.4@12.6,33.36 15,30.96 15,19.65 v3(13.85,18.5) ; Q1_2.2@31.325,11.85 31.925,12.45 R5_2.1@33.6,12.45 v1(33.6,10.45) ; v1(35.15,4.95) R1_1.2@36.45,6.25
CELL1: 
CELL2: J4.5 Q1_3.2 R1_2.2 R2_2.2 R3_2.1 R5_3.1 | length 56
  Top Layer w0.6: v3(15.8,18.5) 15.8,14.075 16.9,12.975 20.425,12.975 R3_2.1@20.6,12.8 20.6,13.85 22.7,15.95 v1(33.6,15.95) 35.15,14.4 R2_2.2@35.15,12.753 v1(35.15,10.45)
  Bottom Layer w0.6: J4.5@12.6,35.9 15.9,32.6 15.9,18.6 v3(15.8,18.5) ; Q1_3.2@31.325,17.35 31.925,17.95 R5_3.1@33.6,17.95 v1(33.6,15.95) ; v1(35.15,10.45) R1_2.2@36.45,11.75
CELL2: 
CELL3: J4.6 Q1_4.2 R1_3.2 R2_3.2 R3_3.1 R5_4.1 | length 51.2
  Top Layer w0.6: J4.6@12.6,38.44 v3(15,38.44) 15.125,38.315 15.125,24.825 R3_3.1@20.6,19.35 ; R3_3.1@20.6,18.3 R3_3.1@20.6,19.35 ; v1(35.15,15.95) R2_3.2@35.15,18.257 35.15,19.9 v1(33.6,21.45) 22.7,21.45 R3_3.1@20.6,19.35
  Bottom Layer w0.6: Q1_4.2@31.325,22.85 31.925,23.45 R5_4.1@33.6,23.45 v1(33.6,21.45) ; v1(35.15,15.95) R1_3.2@36.45,17.25
CELL3: 
CELL4: J4.7 Q1_5.2 R1_4.2 R2_4.2 R3_4.1 R5_5.1 | length 48.3
  Top Layer w0.6: J4.7@12.6,40.98 15.125,40.98 16.3,39.805 16.3,29.15 R3_4.1@20.6,24.85 ; R3_4.1@20.6,23.8 R3_4.1@20.6,24.85 ; v1(35.15,21.45) R2_4.2@35.15,23.76 35.15,25.4 v1(33.6,26.95) 22.7,26.95 R3_4.1@20.6,24.85
  Bottom Layer w0.6: Q1_5.2@31.325,28.35 31.925,28.95 R5_5.1@33.6,28.95 v1(33.6,26.95) ; v1(35.15,21.45) R1_4.2@36.45,22.75
  other v3: 15,40.98
CELL4: 
CELL5: J4.8 Q1_6.2 R1_5.2 R2_5.2 R3_5.1 R5_6.1 | length 45.4
  Top Layer w0.6: J4.8@12.6,43.52 15.125,43.52 17.5,41.145 17.5,33.45 R3_5.1@20.6,30.35 ; R3_5.1@20.6,29.3 R3_5.1@20.6,30.35 ; v1(35.15,26.95) R2_5.2@35.15,29.263 35.15,30.9 v1(33.6,32.45) 22.7,32.45 R3_5.1@20.6,30.35
  Bottom Layer w0.6: Q1_6.2@31.325,33.85 31.925,34.45 R5_6.1@33.6,34.45 v1(33.6,32.45) ; v1(35.15,26.95) R1_5.2@36.45,28.25
  other v3: 15,43.52
CELL5: 
CELL6: J4.9 Q1_7.2 R1_6.2 R2_6.2 R3_6.1 R5_7.1 | length 42.3
  Top Layer w0.6: J4.9@12.6,46.06 14.84,46.06 18.5,42.4 18.5,37.95 R3_6.1@20.6,35.85 ; R3_6.1@20.6,34.8 R3_6.1@20.6,35.85 ; v1(35.15,32.45) R2_6.2@35.15,34.767 35.15,36.4 v1(33.6,37.95) 22.7,37.95 R3_6.1@20.6,35.85
  Bottom Layer w0.6: Q1_7.2@31.325,39.35 31.925,39.95 R5_7.1@33.6,39.95 v1(33.6,37.95) ; v1(35.15,32.45) R1_6.2@36.45,33.75
  other v3: 15,46.1
CELL6: 
CELL7: J4.10 Q1_8.2 R1_7.2 R2_7.2 R3_7.1 R5_8.1 | length 39.5
  Top Layer w0.6: J4.10@12.6,48.6 15.125,48.6 18.4,45.325 18.4,43.836 20.6,41.636 R3_7.1@20.6,41.35 ; R3_7.1@20.6,40.3 R3_7.1@20.6,41.35 ; v1(35.15,37.95) R2_7.2@35.15,40.27 35.15,41.9 v1(33.6,43.45) 22.7,43.45 R3_7.1@20.6,41.35
  Bottom Layer w0.6: Q1_8.2@31.325,44.85 31.925,45.45 R5_8.1@33.6,45.45 v1(33.6,43.45) ; v1(35.15,37.95) R1_7.2@36.45,39.25
  other v3: 15,48.6
CELL7: 